# Altium PCB PCB.PcbDoc
Units mm, origin at the board's own origin, x right, y up, seen from the top; angles counter-clockwise.
Board outline 92.33 x 59.18 mm, 4 copper layers (Top Layer, (GND), (PWR), Bottom Layer), stack 1.369 mm thick; 150 components, 88 nets, 461 pads, 103 vias.
Unrouted connection lines stored in the file: 179.
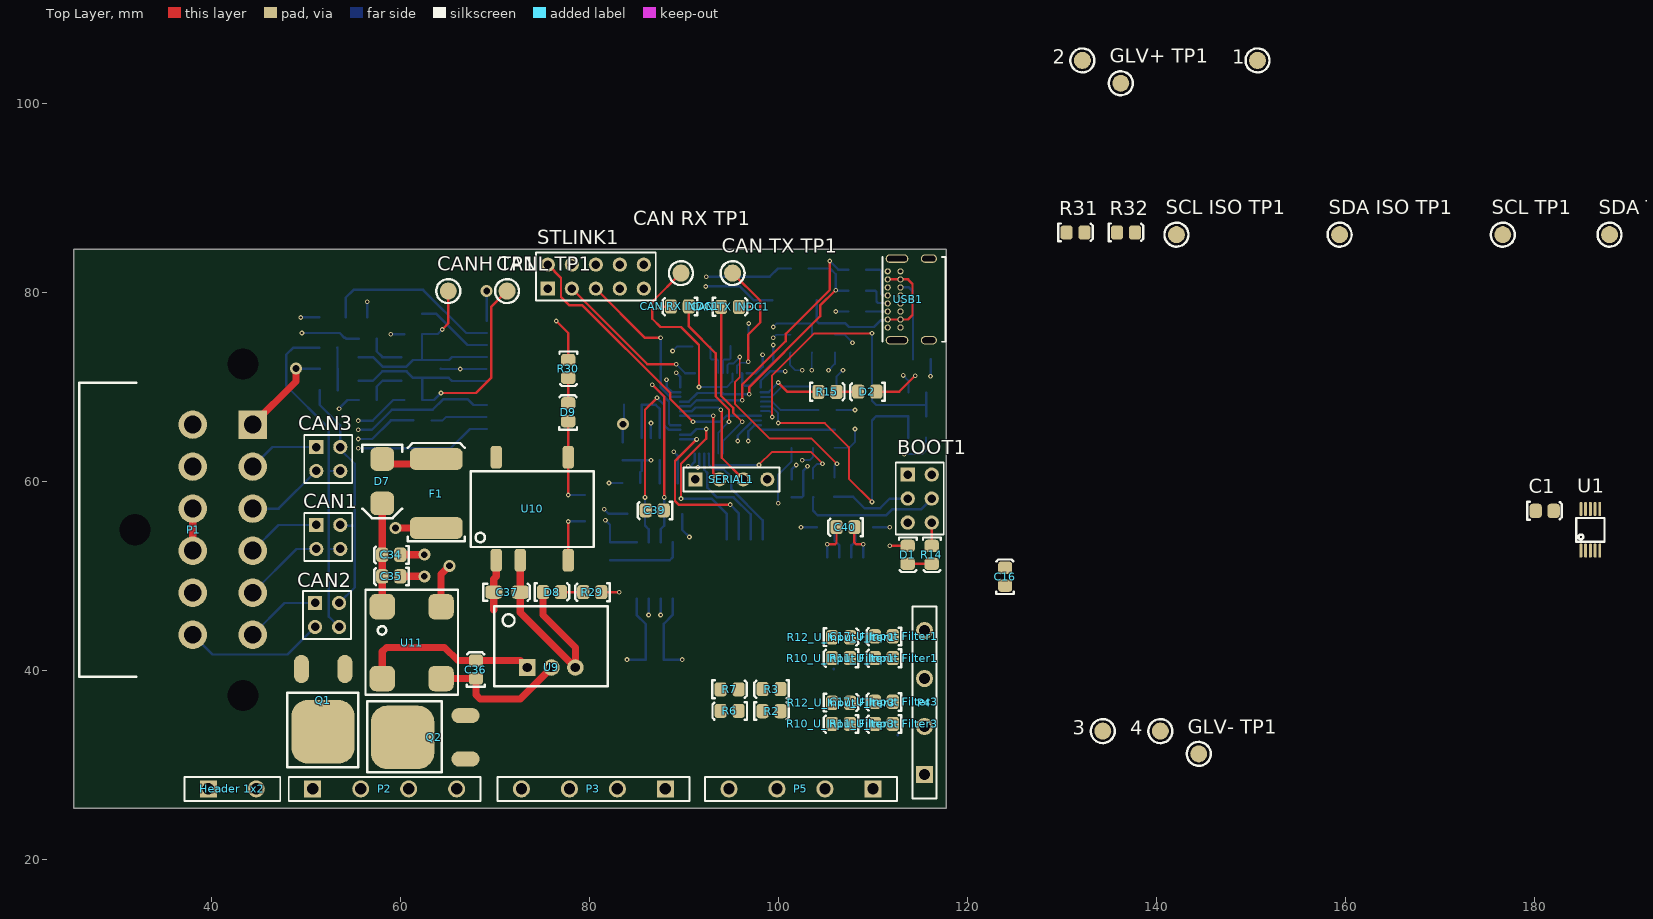
[diagram p0: Top Layer view]
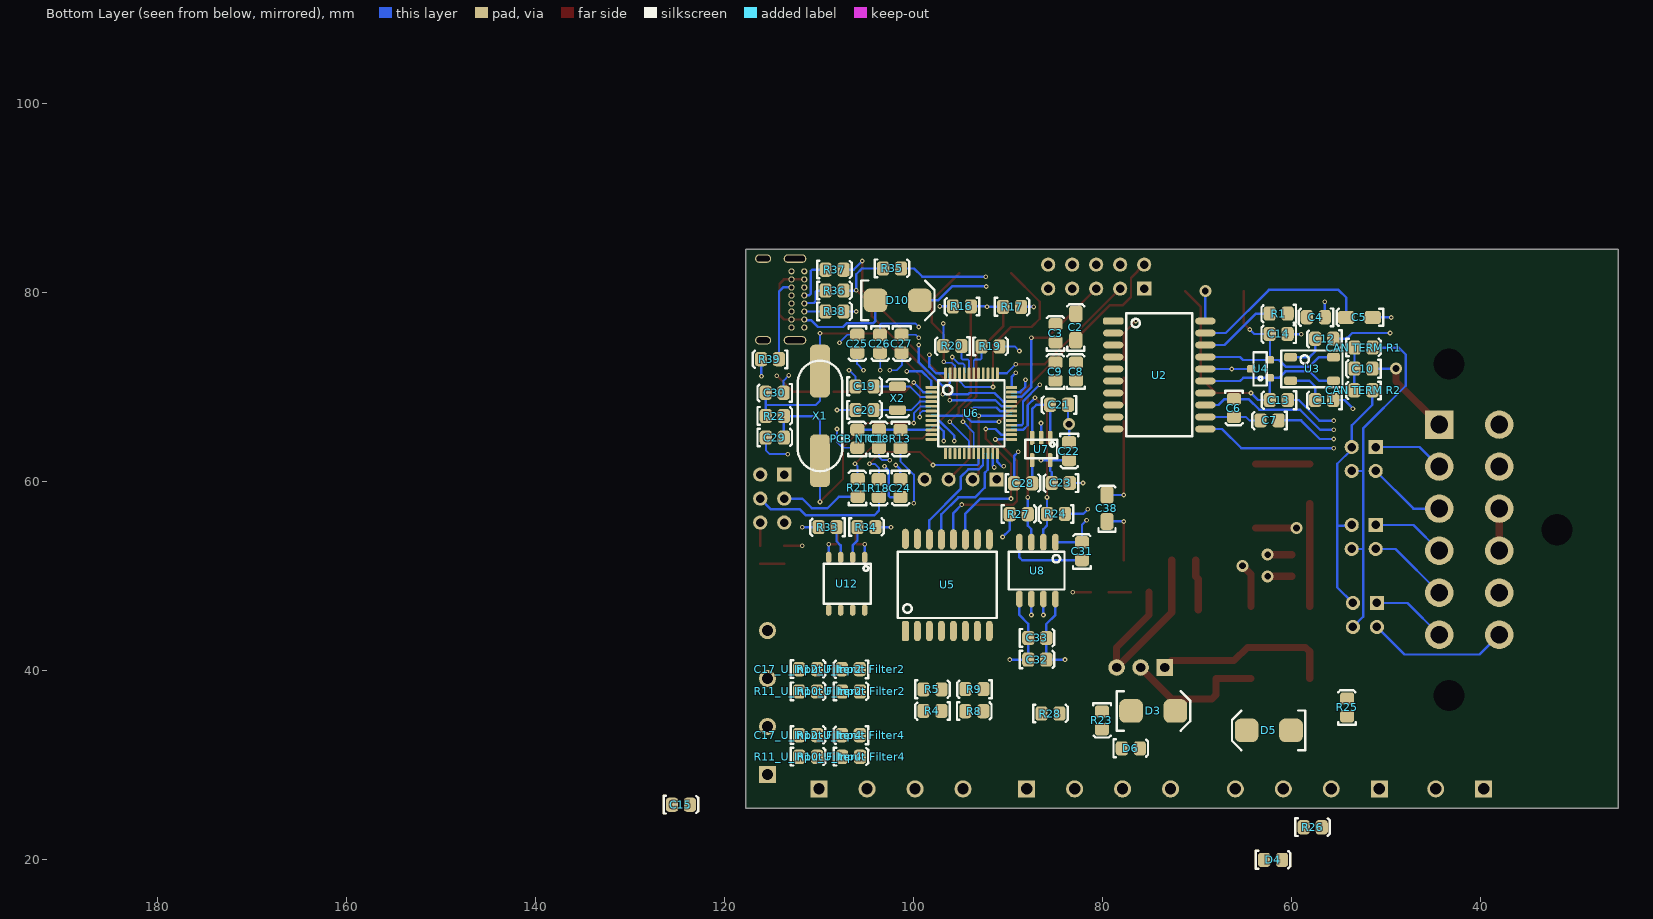
[diagram p1: Bottom Layer view, seen from below]
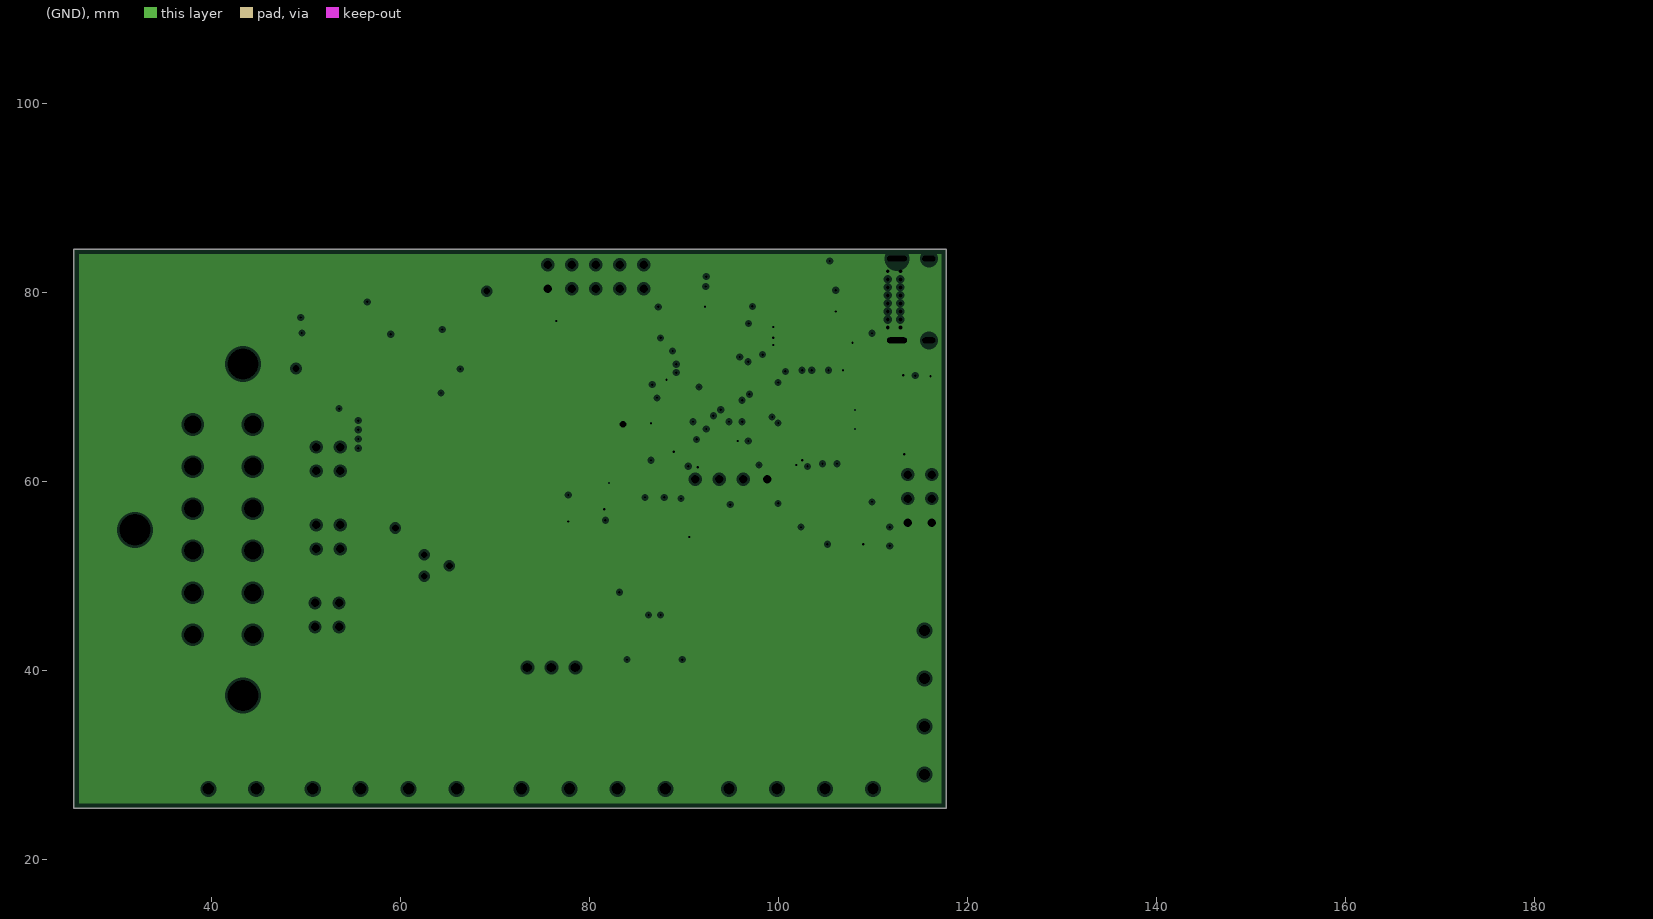
[diagram p2: (GND), clearances drawn from the general rule]
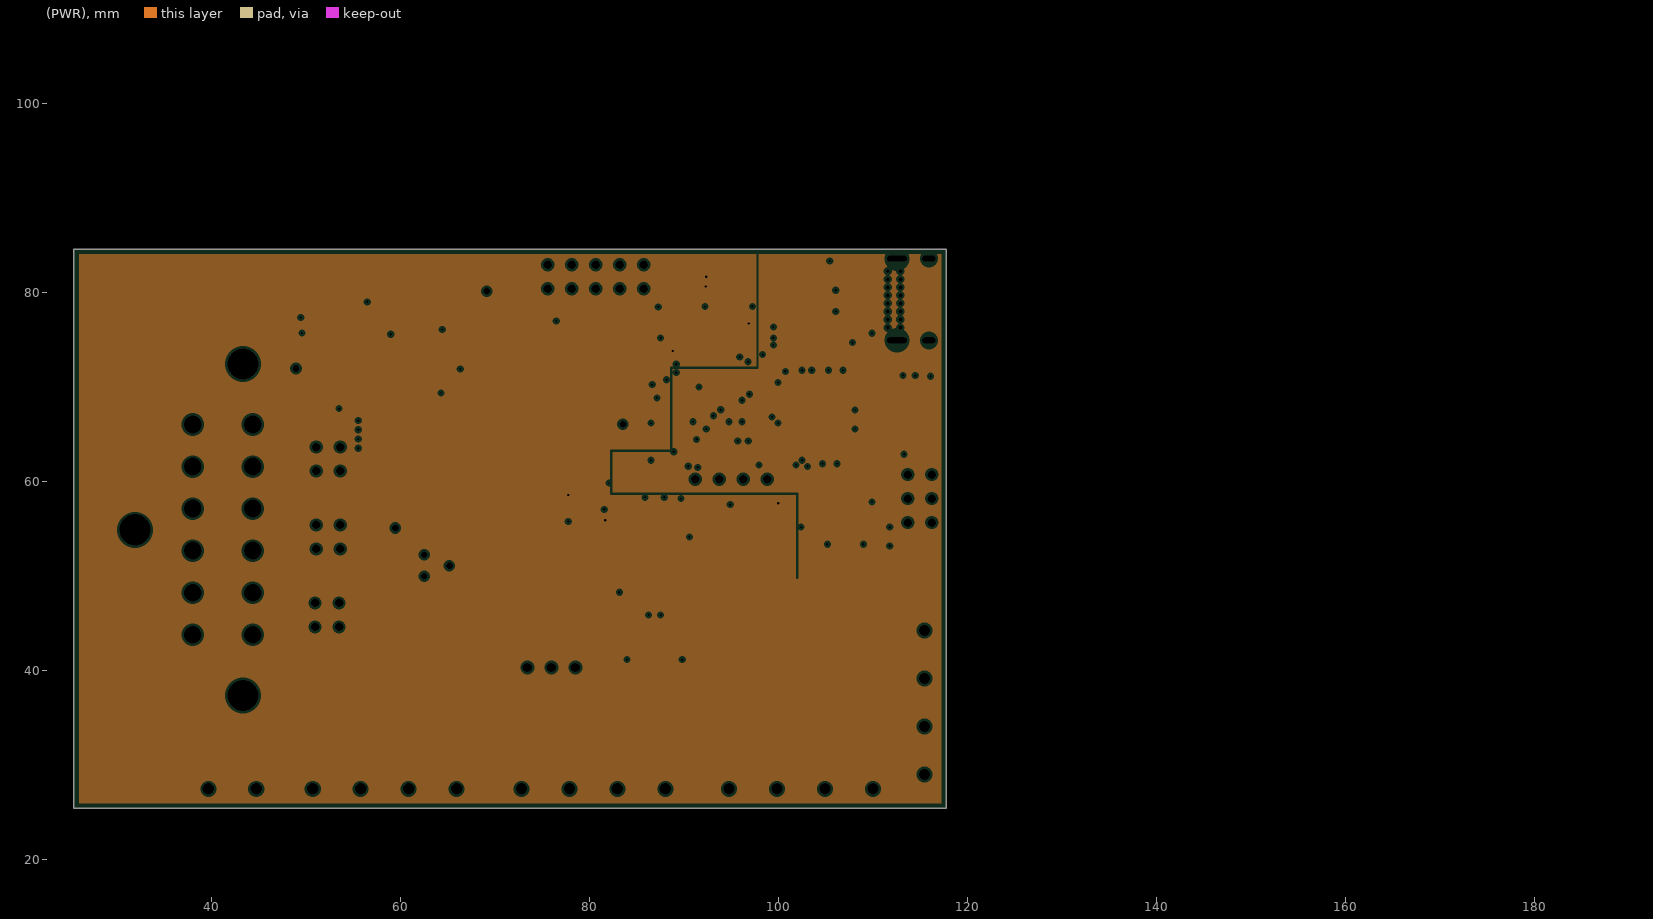
[diagram p3: (PWR), clearances drawn from the general rule]

## Layer stack, top to bottom
Top Solder: solder mask 0.0254, SM-001, Dk 4
Top Layer: signal copper 0.035
Dielectric 1: prepreg 0.1295, PP-017, Dk 4.3
Dielectric 2: prepreg 0.1295, PP-017, Dk 4.3
(GND): plane copper 0.035, net 0V (ISO)
Dielectric 3: core 0.7112, Core-039, Dk 4.8
(PWR): plane copper 0.035, net (Multiple Nets)
Dielectric 4: prepreg 0.1295, PP-017, Dk 4.3
Dielectric 5: prepreg 0.1295, PP-017, Dk 4.3
Bottom Layer: signal copper 0.035
Bottom Solder: solder mask 0.0254, SM-001, Dk 4

## Board outline
25.4,25.4 117.729,25.4 117.729,84.582 25.4,84.582

## Design rules (kind name [scope] priority, off if disabled: settings)
Clearance [All] p1: gap=0.254 ignorepadtopadclearanceinfootprint=FALSE except(0: Arc-Hole Track-Hole SMDPad-Hole THPad-Hole Via-Hole Fill-Hole Poly-Hole Region-Hole Text-Hole; 0.1: THPad-THPad; 0.152: Arc-SMDPad Track-SMDPad SMDPad-SMDPad; 0.2: Arc-THPad Track-THPad SMDPad-THPad THPad-Via; 0.203: Arc-Arc Arc-Track Arc-Region Track-Track Track-Region SMDPad-Region THPad-Region Via-Region Fill-Region Poly-Region Region-Region; 0.6: Arc-Poly Track-Poly SMDPad-Poly THPad-Poly Via-Poly Fill-Poly Poly-Poly)
Clearance Clearance_CAN [InNet('CANL') or InNet('CANH')] p2: gap=0.5 ignorepadtopadclearanceinfootprint=FALSE except(0.1: Arc-THPad Arc-Hole Track-THPad Track-Hole SMDPad-THPad SMDPad-Hole THPad-THPad THPad-Hole Via-Hole Fill-Hole Poly-Hole Region-Hole Text-Hole; 0.152: Arc-SMDPad Track-SMDPad SMDPad-SMDPad; 0.2: THPad-Via; 0.203: Arc-Arc Arc-Track Track-Track; 0.254: Arc-Via Arc-Text Track-Via Track-Text SMDPad-Via SMDPad-Text THPad-Text Via-Via Via-Text Fill-Text Poly-Text Region-Text Text-Text) // DiffPair
DiffPairsRouting [InDifferentialPair('CANBUS')] p1: maxlimit=0.254 minlimit=0.254 mostfreqgap=0.254 toplayer_minwidth=0.381 toplayer_maxwidth=0.381 toplayer_prefwidth=0.381 bottomlayer_minwidth=0.381 bottomlayer_maxwidth=0.381 bottomlayer_prefwidth=0.381 maxuncoupledlength=12.7
Height [All] p1: minheight=0 maxheight=50 prefheight=12.7
HoleSize [All] p1: absolutevalues=TRUE maxlimit=10 minlimit=0.025 maxpercent=80.000 minpercent=20.000
MatchedLengths [All] p1: tolerance=25.4 checknetsindiffpair=FALSE checkdiffpairvsdiffpair=TRUE checkxsignals=TRUE checkothers=TRUE
PlaneClearance [All] p1: clearance=0.254
PlaneConnect [All] p1: pad.planeconnectstyle=Relief pad.reliefexpansion=0.508 pad.reliefentries=4 pad.reliefconductorwidth=0.8 pad.reliefairgap=0.254 via.planeconnectstyle=Direct via.reliefexpansion=0.508 via.reliefentries=4 via.reliefconductorwidth=0.8 via.reliefairgap=0.254
PolygonConnect [All] p1: thpad.connectstyle=Relief thpad.reliefconductorwidth=0.6 thpad.reliefentries=4 thpad.polygonreliefangle="90 Angle" thpad.airgapwidth=0.254 smdpad.connectstyle=Relief smdpad.reliefconductorwidth=0.6 smdpad.reliefentries=4 smdpad.polygonreliefangle="90 Angle" smdpad.airgapwidth=0.254 via.connectstyle=Direct via.reliefconductorwidth=0.6 via.reliefentries=4 via.polygonreliefangle="90 Angle" via.airgapwidth=0.254
RoutingVias [All] p1: holewidth=0.25 width=0.5 viastyle="Through Hole" minholewidth=0.203 minwidth=0.254 maxholewidth=0.711 maxwidth=1.27
SolderMaskExpansion [All] p1: expansion=0.051 istentingtop=FALSE
Width [All] p1: maxlimit=3 minlimit=0.127 preferedwidth=0.754 minimp=50.000000 maximp=50.000000 favimp=50.000000
25 further rules are at their usual default settings.

## Classes and differential pairs
channel class "Input Filter": "U_Input Filter1" "U_Input Filter2" "U_Input Filter3" "U_Input Filter4"
component class "U_Power Supply": 1 2 3 4 C34 C35 C36 C37 C38 D7 D8 D9 F1 "GLV+ TP1" "GLV- TP1" R29 R30 U9 U10 U11
component class "U_Output Driver": C31 C32 C33 D4 D6 Q1 Q2 R24 R25 R26 R27 R28 U8
component class U_Microcontroller: BOOT1 C18 C19 C20 C21 C22 C23 C24 C25 C26 C27 C28 C29 C30 "CAN RX INDC1" "CAN TX INDC1" D1 D2 D10 "PCB NTC1" R13 R14 R15 R16 R17 R18 R19 R20 R21 R22 R35 R36 R37 R38 R39 SERIAL1 STLINK1 U6 U7 USB1 X1 X2
component class "U_Input Filter4": "C17_U_Input Filter4" "R10_U_Input Filter4" "R11_U_Input Filter4" "R12_U_Input Filter4"
component class "U_Input Filter3": "C17_U_Input Filter3" "R10_U_Input Filter3" "R11_U_Input Filter3" "R12_U_Input Filter3"
component class "U_Input Filter2": "C17_U_Input Filter2" "R10_U_Input Filter2" "R11_U_Input Filter2" "R12_U_Input Filter2"
component class "U_Input Filter1": "C17_U_Input Filter1" "R10_U_Input Filter1" "R11_U_Input Filter1" "R12_U_Input Filter1"
component class "U_Digital Inputs": C15 C16 C39 C40 R2 R3 R4 R5 R6 R7 R8 R9 R31 R32 R33 R34 "SCL ISO TP1" "SCL TP1" "SDA ISO TP1" "SDA TP1" U5 U12
component class U_CAN: C2 C3 C4 C5 C6 C7 C8 C9 C10 C11 C12 C13 C14 "CAN RX TP1" "CAN TERM R1" "CAN TERM R2" "CAN TX TP1" "CANH TP1" "CANL TP1" R1 U2 U3 U4
component class "U_4 Channel ADC": C1 U1
component class "Top Level": CAN1 CAN2 CAN3 "Header 1x2" P1 P2 P3 P4 P5

## Components (designator, comment, footprint, x,y, rotation, side; value= is the part's Value field where it differs from the comment)
1 "0mm" "SMD Test Point" 150.695,104.547 r90 top
2 "0mm" "SMD Test Point" 132.153,104.547 r90 top
3 "0mm" "SMD Test Point" 134.312,33.554 r90 top
4 "0mm" "SMD Test Point" 140.408,33.554 r90 top
BOOT1 "2.54mm" "TH 2.54mm Header 2x3" 113.665,60.706 r270 top
C1 "100nF" 0805 181.102,56.896 r0 top
C2 "10nF" 1206 82.804,77.53 r90 bottom
C3 "100nF" 0805 84.963,75.68 r90 bottom
C4 "100nF" 0805 57.404,77.343 r0 bottom
C5 "10nF" 1206 53.975,77.343 r0 bottom
C6 "10uF" 0805 66.04,67.74 r270 bottom
C7 "100nF" 0805 62.308,66.421 r0 bottom
C8 "10uF" 0805 82.804,71.628 r90 bottom
C9 "100nF" 0805 84.989,71.628 r90 bottom
C10 "22pF" 0805 52.372,71.901 r0 bottom
C11 "100pF" 0805 56.515,68.574 r0 bottom
C12 "100pF" 0805 56.515,75.057 r0 bottom
C13 "100pF" 0805 61.324,68.574 r0 bottom
C14 "100pF" 0805 61.341,75.565 r0 bottom
C15 "100nF" 0805 124.587,25.781 r180 bottom
C16 "100nF" 0805 123.952,49.911 r90 top
"C17_U_Input Filter1" "100nF" 0805 111.125,43.561 r180 top (schematic designator C17)
"C17_U_Input Filter2" "100nF" 0805 111.125,40.132 r180 bottom (schematic designator C17)
"C17_U_Input Filter3" "100nF" 0805 111.125,36.628 r180 top (schematic designator C17)
"C17_U_Input Filter4" "100nF" 0805 111.125,33.147 r180 bottom (schematic designator C17)
C18 "100nF" 0805 103.671,64.514 r90 bottom
C19 "22pF" 0805 105.156,70.064 r180 bottom
C20 "22pF" 0805 105.156,67.564 r180 bottom
C21 "1uF" 0805 84.59,68.072 r0 bottom
C22 "100nF" 0805 83.485,63.172 r270 bottom
C23 "1uF" 0805 84.406,59.791 r0 bottom
C24 "1uF" 0805 101.346,59.261 r270 bottom
C25 "100nF" 0805 105.918,74.549 r270 bottom
C26 "100nF" 0805 103.505,74.549 r270 bottom
C27 "100nF" 0805 101.219,74.549 r270 bottom
C28 "22uF" 0805 88.366,59.812 r180 bottom
C29 "22pF" 0805 114.651,64.643 r180 bottom
C30 "22pF" 0805 114.7,69.342 r0 bottom
C31 "100nF" 0805 82.169,52.608 r90 bottom
C32 "100nF" 0805 86.868,41.148 r180 bottom
C33 "10uF" 0805 86.868,43.434 r180 bottom
C34 "10uF" 0805 58.977,52.197 r180 top
C35 "10uF" 0805 58.977,49.911 r180 top
C36 "10uF" 0805 67.919,40.078 r90 top
C37 "22uF" 1206 72.444,48.26 r0 top
C38 "22uF" 1206 79.502,58.346 r90 bottom
C39 "100nF" 0805 86.868,56.896 r180 top
C40 "100nF" 0805 107.061,55.118 r180 top
CAN1 "2.54mm" "TH 2.54mm Header 2x2" 51.054,55.372 r270 top (schematic designator CANSEL1)
CAN2 "2.54mm" "TH 2.54mm Header 2x2" 50.927,47.117 r270 top (schematic designator CANSEL2)
CAN3 "2.54mm" "TH 2.54mm Header 2x2" 51.054,63.627 r270 top (schematic designator CANSEL3)
"CAN RX INDC1" "Blue" "0805 LED" 89.535,78.486 r180 top
"CAN RX TP1" "0mm" "SMD Test Point" 89.662,82.042 r90 top
"CAN TERM R1" "56R" 0805 52.324,74.177 r180 bottom
"CAN TERM R2" "56R" 0805 52.372,69.605 r0 bottom
"CAN TX INDC1" "Blue" "0805 LED" 94.869,78.486 r0 top
"CAN TX TP1" "0mm" "SMD Test Point" 95.123,82.042 r90 top
"CANH TP1" "0mm" "SMD Test Point" 65.024,80.137 r90 top
"CANL TP1" "0mm" "SMD Test Point" 71.247,80.137 r90 top
D1 "Red" "0805 LED" 113.691,52.197 r270 top
D2 "Red" "0805 LED" 109.369,69.462 r180 top
D3 "SD560BTR" "SMB Diode" 76.708,35.687 r180 bottom
D4 "Orange" "0805 LED" 61.903,19.944 r180 bottom
D5 "SD560BTR" "SMB Diode" 60.271,33.629 r0 bottom
D6 "Orange" "0805 LED" 76.962,31.75 r180 bottom
D7 "SD560BTR" "SMB Diode" 58.039,62.103 r270 top
D8 "Red" "0805 LED" 76.019,48.286 r0 top
D9 "Red" "0805 LED" 77.698,67.31 r90 top
D10 "SD560BTR" "SMB Diode" 103.763,79.149 r180 bottom
F1 "0ZCF0100AF2A" 2920 63.754,55.053 r90 top
"GLV+ TP1" "0mm" "SMD Test Point" 136.217,102.134 r90 top
"GLV- TP1" "0mm" "SMD Test Point" 144.472,31.141 r90 top
"Header 1x2" "2.54mm" "TH 5.08mm Header 1x2" 39.624,27.432 r0 top
P1 "DT13-12P" DT13-12P 37.977,65.999 r270 top
P2 "2.54mm" "TH 5.08mm Header 1x4" 50.673,27.432 r0 top
P3 "2.54mm" "TH 5.08mm Header 1x4" 88.011,27.432 r180 top
P4 "2.54mm" "TH 5.08mm Header 1x4" 115.443,28.956 r90 top
P5 "2.54mm" "TH 5.08mm Header 1x4" 109.982,27.432 r180 top
"PCB NTC1" "10K (NTC) (B25/85 3430K)" 0805 105.957,64.514 r90 bottom
Q1 "STD70N10F4" "STM TO-252 MOSFET" 49.475,40.132 r0 top
Q2 "STD70N10F4" "STM TO-252 MOSFET" 66.848,35.193 r270 top
R1 "0R" 0805 61.341,77.724 r0 bottom
R2 "10k" 0805 99.26,35.687 r0 top
R3 "10k" 0805 99.236,37.973 r180 top
R4 "10k" 0805 97.99,35.666 r0 bottom
R5 "10k" 0805 97.966,37.994 r180 bottom
R6 "10k" 0805 94.796,35.666 r180 top
R7 "10k" 0805 94.82,37.994 r0 top
R8 "10k" 0805 93.526,35.687 r180 bottom
R9 "10k" 0805 93.55,37.973 r0 bottom
"R10_U_Input Filter1" "10k" 0805 106.583,41.249 r180 top (schematic designator R10)
"R10_U_Input Filter2" "10k" 0805 106.583,37.771 r180 bottom (schematic designator R10)
"R10_U_Input Filter3" "10k" 0805 106.583,34.29 r180 top (schematic designator R10)
"R10_U_Input Filter4" "10k" 0805 106.583,30.861 r180 bottom (schematic designator R10)
"R11_U_Input Filter1" "1k" 0805 111.125,41.249 r180 top (schematic designator R11)
"R11_U_Input Filter2" "1k" 0805 111.125,37.771 r180 bottom (schematic designator R11)
"R11_U_Input Filter3" "1k" 0805 111.125,34.29 r180 top (schematic designator R11)
"R11_U_Input Filter4" "1k" 0805 111.125,30.861 r180 bottom (schematic designator R11)
"R12_U_Input Filter1" "10k" 0805 106.632,43.509 r0 top (schematic designator R12)
"R12_U_Input Filter2" "10k" 0805 106.632,40.08 r0 bottom (schematic designator R12)
"R12_U_Input Filter3" "10k" 0805 106.632,36.576 r0 top (schematic designator R12)
"R12_U_Input Filter4" "10k" 0805 106.632,33.095 r0 bottom (schematic designator R12)
R13 "10k" 0805 101.346,64.465 r270 bottom
R14 "510R" 0805 116.231,52.197 r270 top
R15 "510R" 0805 105.171,69.483 r0 top
R16 "680R" 0805 94.869,78.486 r0 bottom
R17 "680R" 0805 89.535,78.486 r180 bottom
R18 "10k" 0805 103.632,59.261 r270 bottom
R19 "5.1k" 0805 91.821,74.295 r180 bottom
R20 "5.1k" 0805 95.885,74.295 r0 bottom
R21 "10k" 0805 105.918,59.309 r90 bottom
R22 "10M" 0805 114.651,66.929 r180 bottom
R23 "1.5k" 0805 80.01,34.671 r270 bottom
R24 "10k" 0805 84.914,56.52 r0 bottom
R25 "20k" 0805 54.102,36.068 r90 bottom
R26 "1.5k" 0805 57.712,23.394 r180 bottom
R27 "10k" 0805 88.822,56.541 r180 bottom
R28 "20k" 0805 85.471,35.433 r180 bottom
R29 "680R" 0805 80.264,48.234 r180 top
R30 "510R" 0805 77.75,71.882 r270 top
R31 "3.3k" 0805 131.445,86.36 r0 top
R32 "3.3k" 0805 136.779,86.36 r0 top
R33 "3.3k" 0805 109.093,55.118 r0 bottom
R34 "3.3k" 0805 104.95,55.17 r180 bottom
R35 "1.5k" 0805 102.235,82.55 r180 bottom
R36 "20R" 0805 108.331,80.211 r180 bottom
R37 "20R" 0805 108.331,82.423 r180 bottom
R38 "5.1k" 0805 108.331,77.999 r180 bottom
R39 "5.1k" 0805 115.189,72.898 r0 bottom
"SCL ISO TP1" "0mm" "SMD Test Point" 142.113,86.106 r90 top
"SCL TP1" "0mm" "SMD Test Point" 176.657,86.106 r90 top
"SDA ISO TP1" "0mm" "SMD Test Point" 159.385,86.106 r90 top
"SDA TP1" "0mm" "SMD Test Point" 187.96,86.106 r90 top
SERIAL1 "2.54mm" "TH 2.54mm Header 1x4" 91.186,60.198 r0 top
STLINK1 "2.54mm" "TH 2.54mm Header 2x5" 75.565,80.391 r0 top
U1 "ADS1115" "TI 10-VSSOP" 185.928,54.864 r90 top
U2 "ADM3053" "AD SOIC-W 20" 73.964,71.247 r270 bottom
U3 "B82787C0104H002" "TDK 4-PC Pad" 60.071,73.141 r180 bottom
U4 "NUP2105L" "ON SOT-23" 63.246,71.891 r90 bottom
U5 "ADuM1400" "AD 16-SOIC" 95.123,49.023 r180 bottom
U6 "STM32F103C8T6" "STM 48-LQFP" 93.853,67.183 r270 bottom
U7 "RT9193-33GB" "RICHTEK SOT-23-5" 86.528,63.596 r0 bottom
U8 "ADUM3221ARZ" "AD 8-SOIC" 86.868,50.546 r0 bottom
U9 "R-78C5.0-1.0" "RECOM 3-SIP" 73.406,40.285 r0 top
U10 "R2S-0505/HP" "RECOM 8-SMD (5 Pin)" 73.914,57.046 r0 top
U11 "744272121" "Wurth 4-PC Pad" 64.259,39.116 r90 top
U12 "ISO1540DR" "TI 8-SOIC" 107.696,42.266 r270 bottom
USB1 "USB4085-GF-A" USB4085-GF-A 115.57,79.121 r90 top
X1 "8MHz" "Abracon HC-49/US" 109.882,66.918 r90 bottom
X2 "32.768kHz" "EPSON 2-SMD" 101.675,68.788 r270 bottom

## Footprints (in the part's own frame and the unit in brackets; to place one, negate y for a bottom-side part, rotate by r counter-clockwise, add the part's x,y. Pads: shape width x height; smd on the part's side, far side on the other; paste and mask are expansions set on the pad)
0805 [mm]
  rrect50% 1.3x1.5 smd: 1(-0.962,-0.026) 2(0.938,-0.026)
  silkscreen extent -1.85,-0.95 1.8,0.93, body extent -1,-0.65 1,0.66, height 0.73
"0805 LED" [mm]
  rrect50% 1.3x1.5 smd: A(-0.962,-0.026) K(0.938,-0.026)
  silkscreen extent -1.85,-0.95 1.8,0.93, body extent -1.1,-0.62 0.9,0.62, height 1
1206 [mm]
  rrect50% 1.8x1.4 smd: 1(-2.6,0) 2(0.2,0)
  silkscreen extent -3.7,-0.9 1.2,0.9, body extent -2.9,-0.9 0.5,0.9, height 1.85
2920 [mm]
  rrect50% 2.3x5.6 smd: 1(0,0) 2(7.3,0)
  silkscreen extent -1.4,-3 9,3, body extent -0.34,-2.81 7.64,2.81, height 1.14
"Abracon HC-49/US" [mm]
  rrect50% 5.6x2.1 smd: 1(-4.75,0) 2(4.75,0)
  silkscreen extent -5.85,-2.35 5.85,2.35, body extent -6.35,-2.35 6.35,2.35, height 4.06
"AD 8-SOIC" [mm]
  oval 0.7x1.8 smd: 1(-1.905,-3) 2(-0.635,-3) 3(0.635,-3) 4(1.905,-3) 5(1.905,3) 6(0.635,3) 7(-0.635,3) 8(-1.905,3)
  silkscreen extent -2.87,-2 3.05,2, body extent -2.5,-3.1 2.5,3.1, height 1.76
"AD 16-SOIC" [mil]
  rrect50% 28x85 smd: 1(-225,-192.02)
  oval 28x85 smd: 2(-175,-192.02) 3(-125,-192.02) 4(-75,-192.02) 5(-25,-192.02) 6(25,-192.02) 7(75,-192.02) 8(125,-192.02) 9(125,190) 10(75,189.96) 11(25,189.96) 12(-25,189.96) 13(-75,189.96) 14(-125,189.96) 15(-175,191.98) 16(-225,191.98)
  silkscreen extent -257,-138 155,138, body extent -256,-209 156,209, height 104
"AD SOIC-W 20" [mil]
  rrect50% 28x85 smd: 1(-225,-192.02)
  oval 28x85 smd: 2(-175,-192.02) 3(-125,-192.02) 4(-75,-192.02) 5(-25,-192.02) 6(25,-192.02) 7(75,-192.02) 8(125,-192.02) 9(175,-192.02) 10(225,-192.02) 11(225,192.02) 12(175,191.98) 13(125,191.98) 14(75,191.98) 15(25,191.98) 16(-25,191.98) 17(-75,191.98) 18(-125,191.98) 19(-175,191.98) 20(-225,191.98)
  silkscreen extent -257,-138 256,138, body extent -260,-210 260,210, height 105
DT13-12P [mm]
  round 3 hole 3.3 unplated: 0(-6.405,5.33) 0(11.135,-6.1) 0(28.675,5.33)
  rect 3x3 hole 1.9: 1(0,6.35)
  round 3 hole 1.9: 2(4.45,6.35) 3(8.9,6.35) 4(13.35,6.35) 5(17.8,6.35) 6(22.25,6.35) 7(22.25,0) 8(17.8,0) 9(13.35,0) 10(8.9,0) 11(4.45,0) 12(0,0)
  silkscreen extent -4.45,-12 26.7,-6, body extent -18.6,-34.7 40.6,9.5, height 37.63
"EPSON 2-SMD" [mm]
  rrect50% 1x1.8 smd: 1(-1.25,0) 2(1.25,0)
  silkscreen extent -2,-1.2 2,1.2, body extent -1.5,-1 1.5,1, height 1
"ON SOT-23" [mm] "NUP2105L"
  rrect50% 0.8x0.9 smd: 1(-0.95,-1) 2(0.95,-1) 3(0,1)
  silkscreen extent -1.75,-0.65 1.75,0.75, body extent -1.5,-1.28 1.5,1.27, height 1
"RECOM 3-SIP" [mm] "12 to 42 Vdc In, 9 Vdc Out"
  rect 1.75x1.75 hole 1: 1(0,0)
  round 1.75 hole 1: 2(2.54,0) 3(5.08,0)
  silkscreen extent -3.5,-2 8.5,6.5, body extent -3.26,-2.02 8.34,6.48, height 11.41
"RECOM 8-SMD (5 Pin)" [mm]
  rrect50% 1.2x2.4 smd: 1(-3.81,-5.4) 2(-1.27,-5.4) 4(3.81,-5.4) 5(3.81,5.5) 8(-3.81,5.5)
  silkscreen extent -6.5,-4 6.5,4, body extent -6.37,-5.55 6.38,5.55, height 9.2
"RICHTEK SOT-23-5" [mil]
  rrect50% 19x58 smd: 1(-39.37,-39.37) 2(-1.97,-39.37) 3(35.43,-39.37) 4(35.43,53.63) 5(-39.37,53.63)
  silkscreen extent -69,-31 64,46, body extent -62,-51 58,67, height 57
"SMB Diode" [mm]
  rrect50% 2.5x2.5 smd: A(-0.25,0) K(4.45,0)
  silkscreen extent -1.75,-2.1 6,2.1, body extent -0.69,-1.97 4.9,1.97, height 2.5
"SMD Test Point" [mm]
  round 1.8 smd: 1(0,0)
  silkscreen extent -1.27,-1.27 1.27,1.27
"STM 48-LQFP" [mm]
  rrect50% 0.3x1.2 smd mask+0.05: 1(-2.75,-4.25) 2(-2.25,-4.25) 3(-1.75,-4.25) 4(-1.25,-4.25) 5(-0.75,-4.25) 6(-0.25,-4.25) 7(0.25,-4.25) 8(0.75,-4.25) 9(1.25,-4.25) 10(1.75,-4.25) 11(2.25,-4.25) 12(2.75,-4.25) 25(2.75,4.25) 26(2.25,4.25) 27(1.75,4.25) 28(1.25,4.25) 29(0.75,4.25) 30(0.25,4.25) 31(-0.25,4.25) 32(-0.75,4.25) 33(-1.25,4.25) 34(-1.75,4.25) 35(-2.25,4.25) 36(-2.75,4.25)